# Allegro board WNS_FDM_2V1-1221P2.brd (continued)
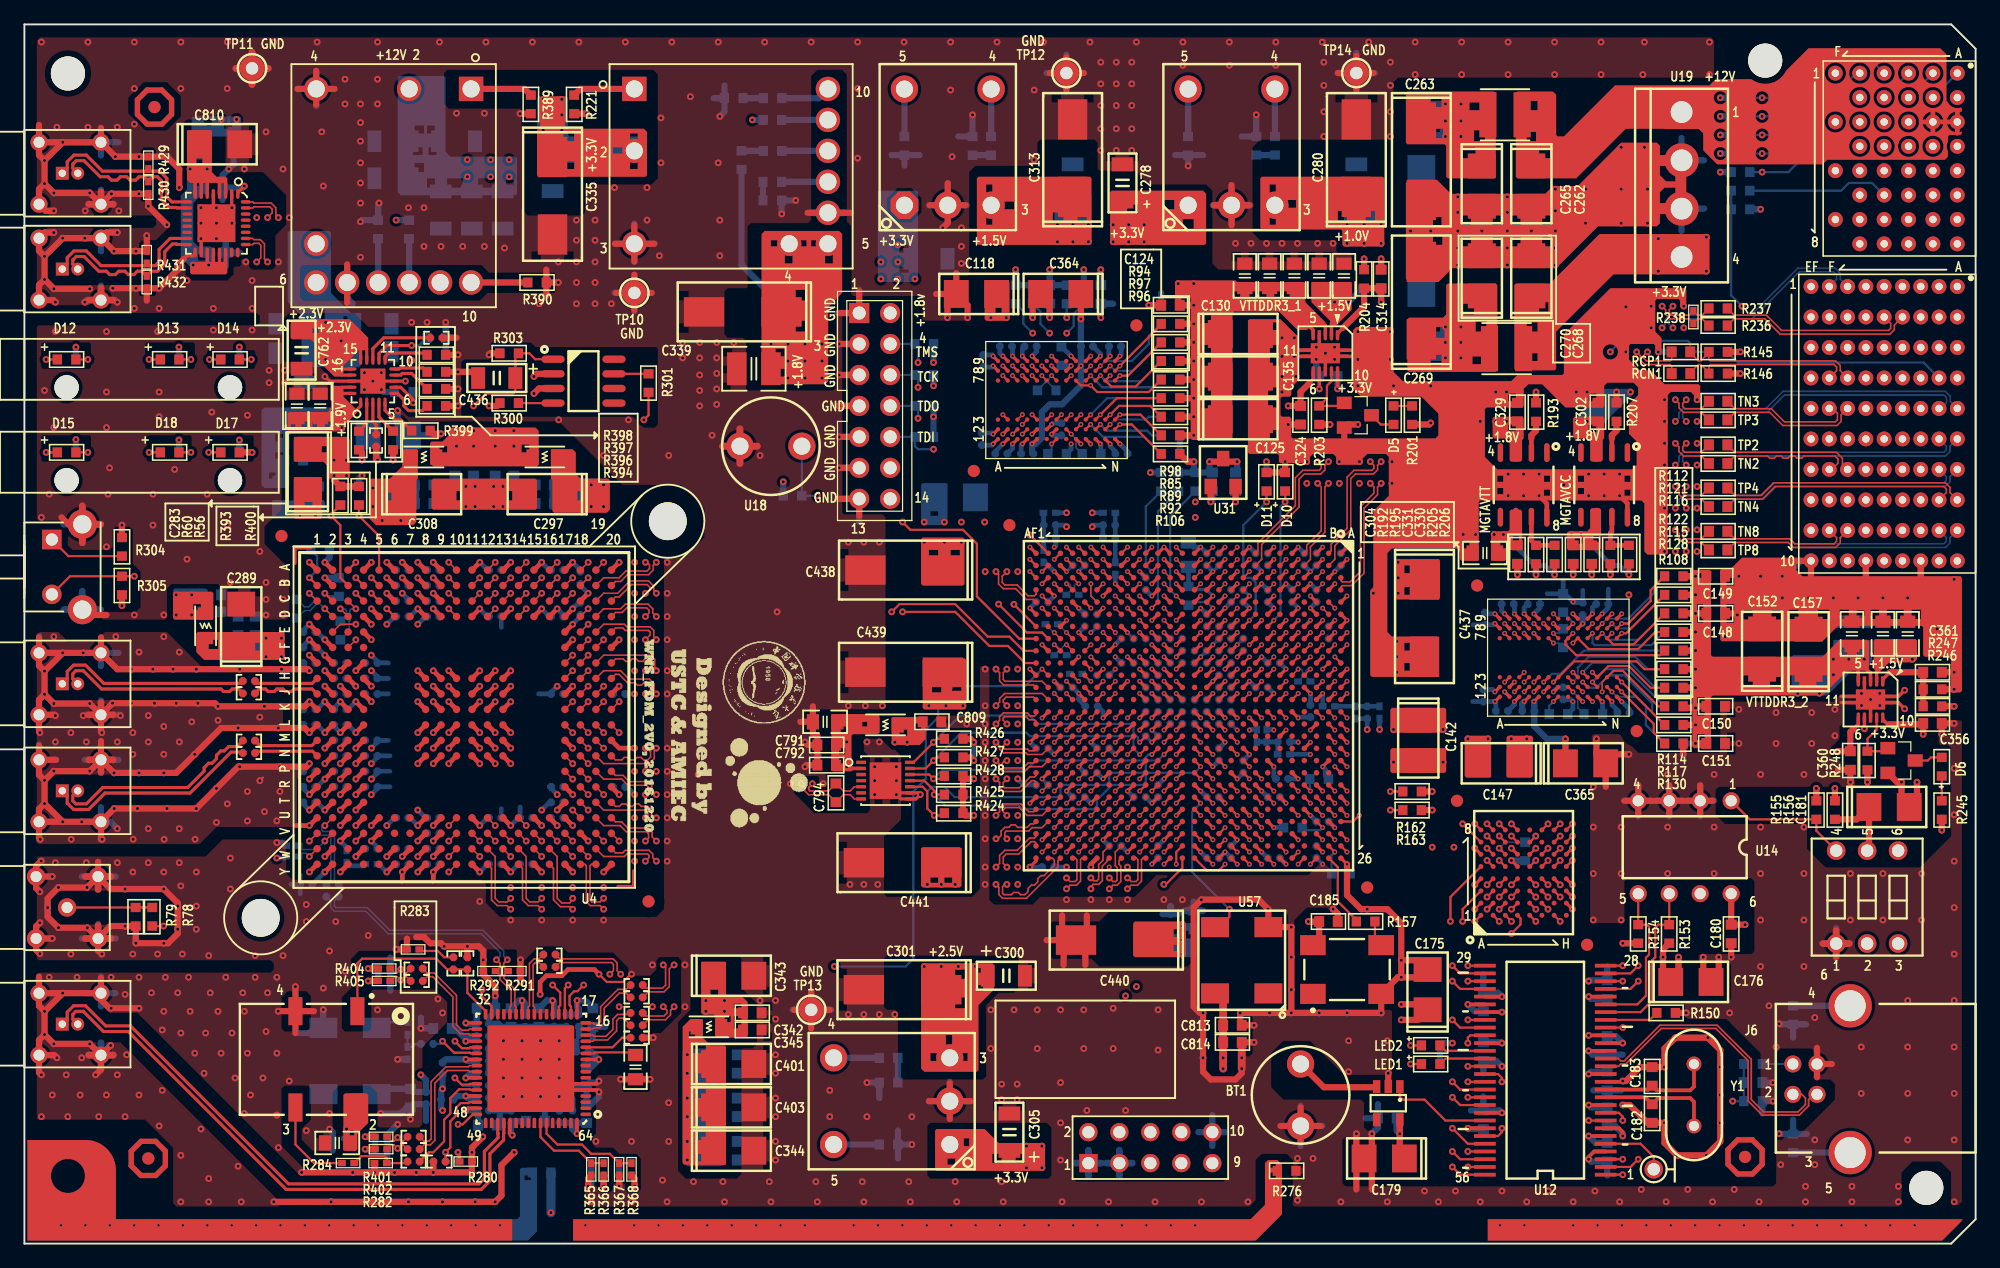
[diagram p0: board, top side]
## Routing (per net, layer and track width the routed paths; a pad name or vN(x,y) marks a point on that pad's centre or on a via; arc(x,y) is an arc through that point) (continued)
DDR3_1_A2: length 30.7
  TOP w0.178: U10.L3 v1(88.23,67.99) 89.58,69.34 R85.2 ; U15.V2 v1(91.45,56.12)
  ART08 w0.119: v1(91.45,56.12) 90.96,56.61 90.96,57.54 91.08,57.66 91.82,57.66 92.58,58.42 93.22,58.42 93.34,58.55 93.34,67.06 93.22,67.18 92.93,67.18 92.81,67.06 92.81,66.31 92.67,66.17 92.47,66.17 92.33,66.31 92.33,67.04 92.19,67.18 91.95,67.18 91.82,67.06 91.82,66.29 91.69,66.17 90.42,66.17 90.3,66.04 90.3,65.28 90.17,65.15 89.53,65.15 89.43,65.25 89.43,66.14 89.28,66.29 88.9,66.29 88.63,66.56 88.63,67.59 v1(88.23,67.99)
DDR3_1_A3: length 32
  TOP w0.178: U15.Y2 v1(88.45,56.12) ; v1(87.43,67.19) U10.K2
  ART08 w0.119: v1(88.45,56.12) 89.41,57.07 89.41,58.55 89.66,58.8 91.07,58.8 91.19,58.92 91.19,59.13 91.07,59.25 90.42,59.25 90.3,59.37 90.3,59.57 90.44,59.71 91.05,59.71 91.17,59.83 91.17,60 91.05,60.12 90.44,60.12 90.3,60.26 90.3,60.46 90.44,60.6 91.05,60.6 91.19,60.74 91.19,60.94 91.05,61.08 90.44,61.08 90.3,61.22 90.3,61.41 90.44,61.55 91.05,61.55 91.19,61.69 91.19,61.89 91.05,62.03 90.44,62.03 90.3,62.17 90.3,62.37 90.44,62.51 91.05,62.51 91.19,62.65 91.19,62.85 91.05,62.99 90.44,62.99 90.3,63.13 90.3,63.37 90.42,63.5 91.06,63.5 91.19,63.63 91.19,63.88 91.06,64.01 88.01,64.01 87.03,64.99 U10.K2 v1(87.43,67.19)
  BOTTOM w0.178: R86.2 91.82,66.17 88.46,66.17 v1(87.43,67.19)
DDR3_1_A4: length 31.9
  TOP w0.178: v1(88.23,71.99) U10.L8 ; U15.AC1 v1(85.45,57.12)
  ART03 w0.119: v1(88.23,71.99) 87.83,72.39 87.25,72.39 87.03,72.17 87.03,65.14 86.91,65.02 86.23,65.02 86.11,64.9 86.11,64.65 86.25,64.51 86.86,64.51 87,64.37 87,64.17 86.86,64.03 86.25,64.03 86.11,63.89 86.11,63.69 86.25,63.55 86.86,63.55 87,63.42 87,63.22 86.86,63.08 86.25,63.08 86.11,62.94 86.11,62.74 86.25,62.6 86.86,62.6 87,62.46 87,62.26 86.86,62.12 86.25,62.12 86.11,61.98 86.11,61.78 86.25,61.64 86.86,61.64 87,61.5 87,61.31 86.86,61.17 86.25,61.17 86.11,61.03 86.11,60.78 86.25,60.64 86.35,60.64 86.49,60.5 86.49,60.3 86.35,60.16 86.25,60.16 86.11,60.02 86.11,58.42 85.45,57.77 v1(85.45,57.12)
  BOTTOM w0.127: v1(88.23,71.99) 88.63,72.39 90.04,72.39
  BOTTOM w0.178: 90.04,72.39 90.8,72.39 92.2,73.79 92.2,74.42 R87.2
DDR3_1_A5: length 30.6
  TOP w0.178: U15.W1 v1(90.45,57.12) ; v1(88.23,67.19) U10.L2
  ART08 w0.119: v1(88.23,67.19) 88.23,66.33 88.63,65.93 88.63,65.16 89.03,64.77 90.54,64.77 90.68,64.91 90.68,65.65 90.79,65.77 91.07,65.77 91.19,65.65 91.19,64.89 91.31,64.77 91.52,64.77 91.66,64.91 91.66,65.67 91.78,65.79 91.95,65.79 92.07,65.67 92.07,64.91 92.21,64.77 92.39,64.77 92.52,64.9 92.52,65.67 92.64,65.79 92.84,65.79 92.96,65.67 92.96,58.93 92.84,58.8 92.58,58.8 92.46,58.93 92.46,59.69 92.33,59.82 92.08,59.82 91.95,59.69 91.95,58.29 91.69,58.04 90.42,58.04 90.17,57.78 90.17,57.4 v1(90.45,57.12)
  BOTTOM w0.178: R88.2 92.46,66.29 92.08,66.67 88.75,66.67 v1(88.23,67.19)
DDR3_1_A6: length 30.5
  TOP w0.178: v1(89.03,71.99) U10.M8 ; U15.V1 v1(91.45,57.12)
  ART10 w0.119: v1(91.45,57.12) 91.45,57.54 91.57,57.66 92.58,57.66 92.71,57.78 92.71,58.02 92.57,58.16 92.32,58.16 92.2,58.28 92.2,58.51 92.32,58.63 92.59,58.63 92.71,58.75 92.71,58.93 92.58,59.05 92.33,59.05 92.2,59.18 92.2,59.44 92.33,59.56 92.58,59.56 92.71,59.69 92.71,59.82 92.58,59.94 91.57,59.94 91.44,60.07 91.44,60.25 91.57,60.39 92.49,60.39 92.61,60.51 92.61,60.71 92.49,60.83 91.56,60.83 91.44,60.95 91.44,61.16 91.56,61.28 92.46,61.28 92.58,61.4 92.58,61.6 92.46,61.72 90.93,61.72 90.81,61.85 90.81,69.6 89.43,70.97 89.43,71.59 v1(89.03,71.99)
  BOTTOM w0.127: v1(89.03,71.99) 89.03,71.99 89.43,71.59 90.04,71.59
  BOTTOM w0.178: 90.04,71.59 90.89,71.59 R93.2
DDR3_1_A7: length 29.6
  TOP w0.178: U10.M2 v1(89.03,67.19) ; U15.V4 v1(91.45,54.12)
  ART08 w0.119: v1(91.45,54.12) 90.93,54.64 90.93,55.37 91.19,55.63 91.69,55.63 91.96,55.9 91.96,57.29 92.71,58.04 93.34,58.04 93.73,58.42 93.73,67.44 93.61,67.56 92.08,67.56 91.94,67.7 91.94,67.93 91.8,68.07 91.48,68.07 91.34,67.93 91.34,67.2 91.2,67.06 90.92,67.06 90.81,67.18 90.81,67.94 90.69,68.06 90.42,68.06 90.3,67.94 90.3,66.67 90.05,66.42 89.8,66.42 v1(89.03,67.19)
  BOTTOM w0.127: 90.04,67.59 89.43,67.59 v1(89.03,67.19)
  BOTTOM w0.178: R95.2 92.2,67.82 91.97,67.59 90.04,67.59
DDR3_1_A8: length 30.1
  TOP w0.178: U15.U6 v1(91.45,52.12) ; R94.2 93.22,75.37 v1(89.83,71.99) U10.N8
  ART10 w0.119: v1(89.83,71.99) 91.69,70.13 91.69,64.26 92.08,63.88 93.34,63.88 93.96,63.26 93.96,55.88 93.71,55.63 93.23,55.63 92.96,55.36 92.96,54.86 92.71,54.61 92.2,54.61 91.96,54.37 91.96,52.63 v1(91.45,52.12)
DDR3_1_A9: length 30
  TOP w0.178: U15.U1 v1(92.45,57.12) ; U10.M3 v1(89.03,67.99) 89.75,68.71 92.33,68.71 R89.2
  ART08 w0.119: v1(89.03,67.99) 89.03,68.97 89.15,69.09 89.34,69.09 89.47,68.96 89.47,68.58 89.58,68.47 89.81,68.47 89.92,68.58 89.92,68.96 90.04,69.09 90.25,69.09 90.39,68.95 90.39,68.6 90.51,68.47 90.68,68.47 90.8,68.6 90.8,68.95 90.94,69.09 91.13,69.09 91.25,68.97 91.25,68.61 91.39,68.47 91.56,68.47 91.68,68.59 91.68,68.95 91.81,69.07 92.04,69.07 92.16,68.95 92.16,68.59 92.3,68.45 92.5,68.45 92.64,68.59 92.64,68.95 92.78,69.09 92.98,69.09 93.12,68.95 93.12,68.47 93.26,68.33 93.45,68.33 93.59,68.47 93.59,68.95 93.73,69.09 93.98,69.09 94.11,68.96 94.11,58.29 93.47,57.66 92.99,57.66 v1(92.45,57.12)
DDR3_1_A10: length 31.7
  TOP w0.178: v1(85.83,71.19) U10.H7 ; U15.U7 v1(91.45,51.12)
  ART08 w0.119: v1(85.83,71.19) 85.41,71.61 85.41,74.62 v2(85.47,74.68)
  ART10 w0.119: v1(85.83,71.19) 87.03,69.99 87.03,60.87 86.93,60.77 86.93,58.36 87.96,57.32 87.96,52.88 88.21,52.63 88.66,52.63 88.96,52.32 88.96,51.88 89.72,51.12 v1(91.45,51.12)
  BOTTOM w0.178: R90.2 86.04,76.26 86.04,75.25 v2(85.47,74.68)
DDR3_1_A11: length 30.9
  TOP w0.178: v1(89.03,71.19) U10.M7 89.13,70.29 91.12,70.29 R96.2 ; U15.V3 v1(90.45,55.12)
  ART10 w0.119: v1(90.45,55.12) 90.96,55.63 90.96,57.94 91.06,58.04 91.69,58.04 91.82,58.17 91.82,58.42 91.69,58.55 91.09,58.55 90.96,58.67 90.96,58.86 91.09,58.99 91.7,58.99 91.82,59.11 91.82,59.31 91.69,59.44 90.42,59.44 90.3,59.56 90.3,59.81 90.44,59.95 90.94,59.95 91.06,60.07 91.06,60.31 90.94,60.43 90.44,60.43 90.3,60.57 90.3,60.76 90.44,60.9 90.94,60.9 91.06,61.02 91.06,61.26 90.94,61.38 90.44,61.38 90.3,61.52 90.3,68.59 90.16,68.73 89.67,68.73 89.53,68.87 89.53,69.07 89.67,69.21 90.16,69.21 90.3,69.35 90.3,69.6 89.03,70.86 v1(89.03,71.19)
DDR3_1_A12: length 31.6
  TOP w0.178: U10.K7 v1(87.43,71.19) ; U15.W3 v1(90.45,54.12)
  ART10 w0.119: v1(87.43,71.19) 88.26,70.36 88.27,70.36 89.03,70.36 89.15,70.23 89.15,69.96 89.01,69.82 88.4,69.82 88.27,69.68 88.27,69.49 88.4,69.35 89.01,69.35 89.15,69.21 89.15,68.96 89.03,68.83 88.42,68.83 88.3,68.71 88.3,68.55 88.63,68.21 88.63,60.19 88.77,60.05 89.01,60.05 89.15,59.91 89.15,59.71 89.01,59.57 88.77,59.57 88.63,59.43 88.63,59.18 88.77,59.04 89.4,59.04 89.53,58.9 89.53,58.71 89.4,58.57 88.75,58.57 88.63,58.45 88.63,58.16 88.75,58.04 89.15,58.04 89.53,57.66 89.53,54.74 90.15,54.12 v1(90.45,54.12)
  BOTTOM w0.178: v1(87.43,71.19) 88.39,70.23 92.58,70.23 R91.2
DDR3_1_A13: length 29.3
  TOP w0.178: R92.2 91.52,67.99 v1(89.83,67.99) U10.N3 ; U15.U5 v1(91.45,53.12)
  ART10 w0.119: v1(89.83,67.99) U10.N3 89.43,65.3 89.28,65.15 89.15,65.15 89.03,65.03 89.03,64.75 89.17,64.61 89.78,64.61 89.92,64.47 89.92,64.27 89.78,64.13 89.17,64.13 89.03,63.99 89.03,63.79 89.17,63.65 89.78,63.65 89.92,63.51 89.92,63.31 89.78,63.17 89.17,63.17 89.03,63.03 89.03,62.84 89.17,62.7 89.78,62.7 89.92,62.56 89.92,62.36 89.78,62.22 89.17,62.22 89.03,62.08 89.03,61.88 89.17,61.74 89.78,61.74 89.92,61.6 89.92,61.4 89.78,61.26 89.17,61.26 89.03,61.12 89.03,60.58 89.15,60.45 89.8,60.45 89.92,60.33 89.92,59.27 90.06,59.13 90.24,59.13 90.36,59.01 90.36,58.77 90.24,58.65 90.06,58.65 89.92,58.51 89.92,58.31 90.06,58.17 90.24,58.17 90.36,58.05 90.36,57.78 90.24,57.66 90.05,57.66 89.96,57.58 89.96,54.82 90.17,54.61 90.68,54.61 90.96,54.33 90.96,53.62 v1(91.45,53.12)
DDR3_1_A14: length 29.6
  TOP w0.178: U15.U2 v1(92.45,56.12) ; U10.N7 v1(89.83,71.19) 90.49,71.19 R97.2
  ART10 w0.119: v1(89.83,71.19) 91.31,69.71 91.31,63.23 91.45,63.09 91.68,63.09 91.82,62.95 91.82,62.76 91.68,62.62 91.45,62.62 91.31,62.48 91.31,62.23 91.44,62.1 92.96,62.1 93.09,62.23 93.09,62.99 93.22,63.12 93.47,63.12 93.6,62.99 93.6,61.65 93.46,61.51 93.23,61.51 93.09,61.37 93.09,61.18 93.23,61.04 93.46,61.04 93.6,60.9 93.6,60.7 93.46,60.56 93.23,60.56 93.09,60.42 93.09,60.22 93.23,60.08 93.46,60.08 93.6,59.94 93.6,59.74 93.46,59.6 93.23,59.6 93.09,59.46 93.09,59.27 93.23,59.13 93.46,59.13 93.6,58.99 93.6,58.79 93.46,58.65 93.23,58.65 93.09,58.51 93.09,58.31 93.23,58.17 93.46,58.17 93.6,58.03 93.6,57.78 93.47,57.66 93.09,57.66 92.95,57.52 92.95,56.62 v1(92.45,56.12)
DDR3_1_A15: length 31.6
  TOP w0.178: R98.2 92.2,69.85 87.97,69.85 v1(87.43,70.39) 86.63,70.39 U10.J7 ; U15.V6 v1(90.45,52.12)
  ART10 w0.119: v1(90.45,52.12) 89.96,52.61 89.96,53.29 89.66,53.59 89.22,53.59 88.96,53.85 88.96,57.53 88.84,57.66 88.39,57.66 88.27,57.78 88.27,60.45 88.14,60.58 87.62,60.58 87.5,60.7 87.5,61.05 87.62,61.17 88,61.17 88.14,61.31 88.14,61.51 88,61.65 87.62,61.65 87.5,61.77 87.5,62 87.62,62.12 88,62.12 88.14,62.26 88.14,62.46 88,62.6 87.62,62.6 87.5,62.72 87.5,62.96 87.62,63.08 87.76,63.08 87.88,63.2 87.88,63.44 87.76,63.56 87.62,63.56 87.5,63.68 87.5,64.9 87.62,65.02 87.71,65.02 87.83,65.14 87.83,69.99 v1(87.43,70.39)
DDR3_1_BA0: length 25.1
  TOP w0.178: v1(86.63,67.19) U10.J2 ; U15.AC2 v1(85.45,56.12)
  ART03 w0.119: v1(86.63,67.19) U10.J2 84.96,66.79 84.84,66.67 84.84,66.42 84.98,66.28 85.2,66.28 85.34,66.14 85.34,65.95 85.2,65.81 84.98,65.81 84.84,65.67 84.84,65.47 84.98,65.33 85.33,65.33 85.47,65.19 85.47,64.99 85.33,64.85 84.47,64.85 84.33,64.71 84.33,64.51 84.47,64.37 85.33,64.37 85.47,64.23 85.47,64.04 85.33,63.9 84.47,63.9 84.33,63.76 84.33,63.56 84.47,63.42 85.33,63.42 85.47,63.28 85.47,63.08 85.33,62.94 84.47,62.94 84.33,62.8 84.33,62.6 84.47,62.46 85.33,62.46 85.47,62.32 85.47,62.13 85.33,61.99 84.47,61.99 84.33,61.85 84.33,61.65 84.47,61.51 85.33,61.51 85.47,61.37 85.47,61.17 85.33,61.03 84.45,61.03 84.33,60.91 84.33,60.7 84.45,60.58 84.71,60.58 84.84,60.45 84.84,60.21 84.7,60.07 84.47,60.07 84.33,59.93 84.33,59.73 84.47,59.59 84.7,59.59 84.84,59.45 84.84,57.66 84.96,57.53 84.96,56.9 85.45,56.41 v1(85.45,56.12)
DDR3_1_BA1: length 25.2
  TOP w0.127: U10.K8 v1(87.43,71.99)
  TOP w0.178: U15.AB2 v1(86.45,56.12)
  ART03 w0.119: v1(87.43,71.99) 87.83,71.59 87.83,65.15 87.71,65.02 87.5,65.02 87.38,64.9 87.38,63.14 87.52,63 88.38,63 88.52,62.86 88.52,62.66 88.38,62.52 87.52,62.52 87.38,62.38 87.38,62.19 87.52,62.05 88.38,62.05 88.52,61.91 88.52,61.71 88.38,61.57 87.52,61.57 87.38,61.43 87.38,61.23 87.52,61.09 88.38,61.09 88.52,60.95 88.52,60.71 88.38,60.57 87.11,60.57 87,60.45 87,59.6 86.86,59.46 86.63,59.46 86.49,59.32 86.49,59.13 86.63,58.99 86.86,58.99 87,58.85 87,58.55 85.98,57.53 85.98,56.59 v1(86.45,56.12)
DDR3_1_BA2: length 25
  TOP w0.178: U15.Y1 v1(88.45,57.12) ; v1(86.63,67.99) U10.J3
  ART08 w0.119: v1(88.45,57.12) 88.9,57.57 88.9,58.65 88.76,58.79 88.4,58.79 88.27,58.93 88.27,59.13 88.4,59.27 89.8,59.27 89.92,59.39 89.92,59.62 89.8,59.74 88.4,59.74 88.27,59.88 88.27,60.08 88.4,60.22 89.81,60.22 89.92,60.33 89.92,60.58 89.79,60.71 89.03,60.71 88.9,60.83 88.9,61.08 89.04,61.22 89.78,61.22 89.92,61.36 89.92,61.56 89.78,61.7 89.04,61.7 88.9,61.84 88.9,62.03 89.04,62.17 89.8,62.17 89.92,62.29 89.92,62.53 89.8,62.65 89.04,62.65 88.9,62.79 88.9,63 89.02,63.12 89.67,63.12 89.79,63.24 89.79,63.51 89.67,63.63 87.88,63.63 86.23,65.28 U10.J3 v1(86.63,67.99)
DDR3_1_CASN: length 35.2
  TOP w0.178: U15.AA2 v1(87.45,56.12) ; U10.G3 v1(85.03,67.99)
  ART08 w0.119: v1(87.45,56.12) 86.96,56.61 86.96,57.54 87.08,57.66 88.01,57.66 88.14,57.78 88.14,58.04 88.01,58.17 87.09,58.17 86.96,58.29 86.96,60.66 87.1,60.8 88.38,60.8 88.52,60.94 88.52,61.14 88.38,61.28 87.1,61.28 86.96,61.42 86.96,61.62 87.1,61.76 88.38,61.76 88.52,61.9 88.52,62.1 88.38,62.23 87.1,62.23 86.96,62.37 86.96,62.57 87.1,62.71 88.38,62.71 88.52,62.85 88.52,63.05 88.38,63.19 87.1,63.19 86.96,63.33 86.96,64.04 86.49,64.52 85.47,64.52 85.34,64.64 85.34,67.68 v1(85.03,67.99) 85.03,73.72 v2(84.07,74.68)
  BOTTOM w0.178: v2(84.07,74.68) 83.31,75.44 83.31,76.45 R104.2
DDR3_1_CKE: length 25.1
  TOP w0.178: U15.AD6 v1(84.45,52.12) ; v1(84.23,72.79) U10.G9
  ART08 w0.119: v1(84.45,52.12) 83.92,52.65 83.24,52.65 82.93,52.96 82.93,55.37 82.68,55.63 82.17,55.63 81.79,56.01 81.79,64.9 82.23,65.34 82.23,70.04 83.03,70.84 83.03,72.24 83.58,72.79 v1(84.23,72.79)
DDR3_1_CKN: length 26.7
  TOP w0.124: U15.W5 v1(89.45,53.12)
  TOP w0.127: U10.G7 v1(84.23,71.19)
  ART08 w0.102: v1(89.45,53.12) 89.45,52.82 89.35,52.72 86.12,52.72 85.05,53.79 85.05,54.46 84.79,54.72 84.26,54.72 84.05,54.93 84.05,55.39 84.11,55.45 84.11,55.47
  ART08 w0.109: 84.11,55.47 84.11,55.78 83.62,56.26 83.62,69.91 83.75,70.03 83.75,70.84 84.1,71.19 v1(84.23,71.19)
  BOTTOM w0.124: v1(84.23,71.19) 83.98,70.94 83.98,70.6 R99.2
DDR3_1_CKP: length 26.7
  TOP w0.124: U15.W6 v1(89.45,52.12)
  TOP w0.127: v1(83.43,71.19) U10.F7
  ART08 w0.102: v1(89.45,52.12) 89.45,52.42 89.35,52.52 86.04,52.52 84.85,53.71 84.85,54.38 84.71,54.52 84.18,54.52 83.85,54.84 83.85,55.39 83.8,55.45 83.8,55.47
  ART08 w0.109: v1(83.43,71.19) 83.43,70.16 83.31,70.04 83.31,56.13 83.8,55.65 83.8,55.47
  BOTTOM w0.124: v1(83.43,71.19) 83.68,70.94 83.68,70.6 R99.1
DDR3_1_CSN: length 27.1
  TOP w0.178: U10.H2 v1(85.83,66.39) ; U15.AC6 v1(85.45,52.12)
  ART10 w0.119: v1(85.83,66.39) 85.47,66.76 85.21,66.76 85.09,66.64 85.09,66.32 85.37,66.05 85.37,65.84 85.09,65.57 85.09,65.12 85.23,64.98 85.71,64.98 85.85,64.84 85.85,64.65 85.71,64.51 85.23,64.51 85.09,64.37 85.09,64.17 85.23,64.03 85.71,64.03 85.85,63.89 85.85,63.69 85.71,63.55 85.23,63.55 85.09,63.41 85.09,63.21 85.23,63.07 85.71,63.07 85.85,62.93 85.85,62.74 85.71,62.6 85.23,62.6 85.09,62.46 85.09,62.26 85.23,62.12 85.71,62.12 85.85,61.98 85.85,61.78 85.71,61.64 85.23,61.64 85.09,61.5 85.09,61.3 85.23,61.16 85.71,61.16 85.85,61.02 85.85,60.83 85.71,60.69 85.25,60.69 84.84,60.27 84.84,58.29 84.96,58.17 85.72,58.17 85.84,58.05 85.84,57.88 85.72,57.76 85.08,57.76 84.96,57.64 84.96,53.59 85.22,53.33 85.22,53.11 84.96,52.86 84.96,52.61 v1(85.45,52.12)
  BOTTOM w0.127: v1(85.83,66.39) 86.23,65.99 86.23,65.28 R100.2
DDR3_1_DM: length 31.8
  TOP w0.178: U15.AD4 v1(84.45,54.12) ; v1(80.23,71.19) U10.B7
  ART10 w0.119: v1(80.23,71.19) 79.44,71.19 76.33,68.07 76.33,64.77 75.22,63.66 75.22,60.06 75.34,59.94 76.08,59.94 76.2,59.82 76.2,58.74 76.06,58.6 75.9,58.6 75.76,58.46 75.76,58.27 75.9,58.13 76.06,58.13 76.2,57.99 76.2,56.26 76.33,56.13 76.52,56.13 76.64,56.26 76.64,56.77 76.79,56.91 76.95,56.91 77.09,56.78 77.09,56.01 78.55,54.55 82.68,54.55 82.8,54.43 82.8,53.71 82.92,53.59 84.33,53.59 84.45,53.71 v1(84.45,54.12)
DDR3_1_DQ0: length 31.7
  TOP w0.178: U15.AF3 v1(82.45,55.12) ; U10.B3 v1(80.23,67.99)
  ART10 w0.119: v1(80.23,67.99) 78.61,67.99 78.49,67.87 78.49,67.62 78.63,67.48 79.64,67.48 79.76,67.36 79.76,67.13 79.64,67.01 78.06,67.01 77.97,66.92 77.97,66.68 78.11,66.54 78.73,66.54 78.87,66.4 78.87,66.2 78.73,66.06 78.1,66.06 77.98,65.94 77.98,65.7 78.1,65.58 78.73,65.58 78.87,65.44 78.87,65.24 78.73,65.1 78.11,65.1 77.98,64.97 77.98,64.76 78.11,64.63 78.75,64.63 78.87,64.51 78.87,64.27 78.75,64.15 78.11,64.15 77.97,64.01 77.97,63.75 78.09,63.63 78.61,63.63 78.74,63.5 78.74,61.88 78.87,61.76 79.26,61.76 79.38,61.64 79.38,61.4 79.26,61.28 78.73,61.28 78.61,61.16 78.61,60.92 78.73,60.8 79.26,60.8 79.38,60.68 79.38,60.44 79.26,60.32 78.73,60.32 78.61,60.2 78.61,59.94 78.73,59.82 79.26,59.82 79.38,59.7 79.38,58.67 79.25,58.55 78.74,58.55 78.61,58.42 78.61,58.04 78.74,57.91 79.26,57.91 79.38,57.79 79.38,57.53 79.25,57.4 78.73,57.4 78.61,57.28 78.61,57.02 78.74,56.9 80.65,56.9 80.77,56.78 80.77,55.88 80.9,55.75 81.82,55.75 v1(82.45,55.12)
DDR3_1_DQ1: length 31.8
  TOP w0.178: v1(81.03,71.19) U10.C7 ; U15.AE5 v1(83.45,53.12)
  ART10 w0.119: v1(81.03,71.19) 80.63,71.59 79.08,71.59 75.82,68.33 75.82,64.9 74.8,63.88 74.8,57.02 74.92,56.9 75.7,56.9 75.82,56.78 75.82,56.52 75.59,56.28 75.59,56.11 75.95,55.75 76.9,55.75 78.49,54.17 81.41,54.17 81.53,54.04 81.53,53.85 81.64,53.74 81.83,53.74 81.95,53.86 81.95,54.05 82.07,54.17 82.3,54.17 82.42,54.05 82.42,53.24 82.54,53.12 v1(83.45,53.12)
DDR3_1_DQ2: length 31.8
  TOP w0.178: U15.AF2 v1(82.45,56.12) ; v1(81.03,66.39) U10.C2
  ART10 w0.119: v1(82.45,56.12) 81.29,56.12 81.15,56.26 81.15,57.15 81.03,57.28 79.88,57.28 79.76,57.4 79.76,58.11 79.9,58.25 80.76,58.25 80.9,58.39 80.9,58.58 80.76,58.72 79.9,58.72 79.76,58.86 79.76,59.06 79.9,59.2 80.76,59.2 80.9,59.34 80.9,59.54 80.76,59.68 79.9,59.68 79.76,59.82 79.76,60.02 79.9,60.16 80.76,60.16 80.9,60.3 80.9,60.49 80.76,60.63 79.9,60.63 79.76,60.77 79.76,60.97 79.9,61.11 80.76,61.11 80.9,61.25 80.9,61.45 80.76,61.59 79.9,61.59 79.76,61.73 79.76,61.98 79.88,62.1 80.78,62.1 80.9,62.22 80.9,62.48 80.79,62.6 79.39,62.6 79.25,62.74 79.25,63 79.37,63.12 80.77,63.12 80.89,63.24 80.89,63.51 80.77,63.63 79.37,63.63 79.25,63.75 79.25,63.96 79.37,64.08 80.77,64.08 80.89,64.2 80.89,64.5 80.77,64.62 79.37,64.62 79.25,64.74 79.25,65.03 79.37,65.15 80.51,65.15 80.63,65.27 80.63,65.99 v1(81.03,66.39)
DDR3_1_DQ3: length 31.8
  TOP w0.178: U15.AE6 v1(83.45,52.12) ; v1(81.03,71.99) U10.C8
  ART10 w0.119: v1(83.45,52.12) 82.84,52.74 82.14,52.74 81.03,53.85 78.36,53.85 76.83,55.37 75.82,55.37 74.42,56.77 74.42,64.14 75.31,65.02 75.31,68.45 79.25,72.39 80.63,72.39 v1(81.03,71.99)
DDR3_1_DQ4: length 31.7
  TOP w0.178: U15.AE1 v2(82.45,58.12) ; v1(82.63,67.99) U10.E3
  ART10 w0.119: v1(82.63,67.99) 82.94,67.99 83.06,68.11 83.06,68.46 82.94,68.58 82.04,68.58 81.92,68.7 81.92,69.48 82.04,69.6 82.29,69.6 82.43,69.46 82.43,69.1 82.57,68.96 82.77,68.96 82.91,69.1 82.91,69.46 83.05,69.6 83.31,69.6 83.44,69.47 83.44,66.91 83.32,66.79 82.31,66.79 82.23,66.71 82.23,66.07 82.31,65.99 83.32,65.99 83.44,65.87 83.44,65.27 83.32,65.15 82,65.15 81.92,65.07 81.92,64.83 82.03,64.72 83.45,64.72 83.57,64.6 83.57,64.38 83.45,64.26 82.03,64.26 81.92,64.14 81.92,63.97 82.03,63.85 82.56,63.85 82.68,63.73 82.68,63.49 82.56,63.37 82.29,63.37 82.17,63.25 82.17,62.98 82.29,62.87 83.04,62.87 83.16,62.98 83.16,63.76 83.28,63.88 83.51,63.88 83.63,63.76 83.63,58.23 83.07,57.67 82.9,57.67 v2(82.45,58.12)
DDR3_1_DQ5: length 31.8
  TOP w0.178: U15.AD1 v1(84.45,56.12) ; U10.E8 v1(82.63,71.99)
  ART10 w0.119: v1(84.45,56.12) 84.45,56.45 83.95,56.96 83.95,57.4 84.45,57.91 84.45,60.45 84.63,60.63 84.63,68.33 84.76,68.45 85.48,68.45 85.6,68.57 85.6,68.84 85.48,68.96 84.36,68.96 84.21,69.11 84.21,69.35 84.33,69.47 85.09,69.47 85.34,69.72 85.34,70.62 85.22,70.74 84.84,70.74 84.71,70.87 84.71,71.13 84.83,71.25 85.22,71.25 85.34,71.37 85.34,71.61 85.2,71.75 84.85,71.75 84.71,71.89 84.71,72.09 84.85,72.23 85.22,72.23 85.34,72.35 85.34,72.58 85.22,72.71 84.84,72.71 84.71,72.83 84.71,73.01 84.83,73.13 85.48,73.13 85.6,73.24 85.6,73.41 85.48,73.53 83.95,73.53 83.83,73.41 83.83,70.86 83.71,70.74 83.15,70.74 83.03,70.86 83.03,71.59 v1(82.63,71.99)
DDR3_1_DQ6: length 31.8
  TOP w0.178: U10.D2 v1(81.83,66.39) ; U15.AE3 v1(83.45,54.12)
  ART10 w0.119: v1(81.83,66.39) 81.43,65.99 81.43,63.6 81.57,63.46 81.65,63.46 81.79,63.32 81.79,63.12 81.65,62.98 81.57,62.98 81.43,62.84 81.43,62.6 81.57,62.46 83.05,62.46 83.19,62.32 83.19,62.12 83.05,61.98 81.57,61.98 81.43,61.84 81.43,60.81 81.53,60.71 81.77,60.71 81.87,60.81 81.87,61.49 81.98,61.59 82.18,61.59 82.3,61.48 82.3,60.83 82.42,60.71 82.59,60.71 82.71,60.83 82.71,61.47 82.83,61.59 83.07,61.59 83.19,61.47 83.19,60.45 83.06,60.33 81.55,60.33 81.43,60.21 81.43,59.16 81.53,59.05 81.7,59.05 81.81,59.16 81.81,59.78 81.92,59.89 82.14,59.89 82.26,59.77 82.26,59.19 82.38,59.08 82.62,59.08 82.74,59.2 82.74,59.76 82.88,59.89 83.06,59.89 83.16,59.78 83.16,58.78 83.06,58.67 81.53,58.67 81.41,58.55 81.41,58.37 81.53,58.25 81.77,58.25 81.91,58.11 81.91,57.91 81.77,57.77 81.57,57.77 81.45,57.65 81.45,57.36 81.66,57.15 81.66,56.77 81.79,56.64 82.68,56.64 82.93,56.39 82.93,54.86 83.45,54.34 v1(83.45,54.12)
DDR3_1_DQ7: length 31.8
  TOP w0.178: U15.AE2 v1(83.45,55.12) ; U10.E7 v1(82.63,71.19)
  ART10 w0.119: v1(83.45,55.12) 83.82,55.12 83.95,55.24 83.95,55.5 83.82,55.63 83.57,55.63 83.45,55.74 83.45,56.02 83.57,56.13 83.82,56.13 83.94,56.25 83.94,56.52 83.82,56.64 83.19,56.64 83.06,56.77 83.06,57.15 84.07,58.17 84.07,60.63 84.2,60.75 84.2,61.1 84.07,61.23 84.07,61.58 84.2,61.71 84.2,62.06 84.07,62.19 84.07,62.54 84.2,62.66 84.2,63.01 84.07,63.14 84.07,63.49 84.2,63.62 84.2,63.97 84.07,64.1 84.07,64.39 84.2,64.52 84.2,64.9 83.83,65.27 83.83,69.73 83.95,69.85 84.84,69.85 84.96,69.98 84.96,70.23 84.84,70.36 83.5,70.36 83.38,70.23 83.38,70.1 83.26,69.98 83.02,69.98 82.9,70.1 82.9,70.24 82.78,70.36 82.54,70.36 82.42,70.24 82.42,70.1 82.3,69.98 82.03,69.98 81.92,70.1 81.92,70.24 81.8,70.36 81.5,70.36 81.38,70.24 81.38,69.84 81.26,69.72 80.99,69.72 80.87,69.84 80.87,70.22 80.73,70.36 80.54,70.36 80.4,70.22 80.4,69.86 80.26,69.72 80.01,69.72 79.88,69.85 79.88,70.61 80.01,70.74 82.51,70.74 82.63,70.86 v1(82.63,71.19)
DDR3_1_DQSN: length 31.8
  TOP w0.124: v2(80.56,55.12) 80.19,54.74 80.19,54.23 80.39,54.02 81.41,54.02 82.29,53.13 82.83,53.13 82.95,53.26 U15.AF4
  TOP w0.127: U10.D3 v1(81.83,67.19)
  ART10 w0.109: v1(81.83,67.19) 81.83,67.33 81.66,67.51 81.32,67.51 81.03,67.8 81.03,68.71 80.9,68.83 80.57,68.83 80.37,68.63 80.04,68.63 79.84,68.83 79.51,68.83 79.31,68.63 78.98,68.63 78.78,68.83 78.42,68.83 78.19,68.6 78.19,68.42 77.96,68.19 77.78,68.19 77.34,67.76 77.34,63.88 77,63.54 76.42,63.54 76.29,63.41 76.29,62.97 76.4,62.87 77.74,62.87 78.04,62.57 78.04,61.91 77.72,61.59 76.31,61.59 76.2,61.49 76.2,60.94 76.31,60.84 77.59,60.84 77.91,60.52 77.91,56.9 78.55,56.26 79.88,56.26 80.2,55.95 80.2,55.49 v2(80.56,55.12)
DDR3_1_DQSP: length 31.8
  TOP w0.124: U15.AF5 82.74,52.83 82.17,52.83 81.28,53.72 80.26,53.72 79.88,54.1 79.88,54.91 v2(79.67,55.12)
  TOP w0.127: v1(81.83,67.99) U10.C3
  ART10 w0.109: v2(79.67,55.12) 79.88,55.33 79.88,55.82 79.75,55.95 78.42,55.95 77.6,56.77 77.6,60.39 77.47,60.52 76.18,60.52 75.89,60.82 75.89,61.62 76.18,61.91 77.59,61.91 77.72,62.04 77.72,62.44 77.61,62.55 76.27,62.55 75.98,62.84 75.98,63.54 76.29,63.85 76.87,63.85 77.03,64.01 77.03,67.89 78.29,69.15 81.03,69.15 81.34,68.84 81.34,67.93 81.45,67.82 81.66,67.82 v1(81.83,67.99)
DDR3_1_ODT: length 26.1
  TOP w0.127: v1(87.45,54.12) 87.45,53.12 U15.AA5
  TOP w0.178: v1(84.23,65.59) U10.G1
  ART08 w0.119: v1(84.23,65.59) 84.23,63.75 84.35,63.63 85.22,63.63 85.34,63.51 85.34,63.24 85.22,63.12 84.32,63.12 84.2,63 84.2,62.73 84.32,62.61 85.35,62.61 85.47,62.49 85.47,62.22 85.35,62.11 84.37,62.11 84.23,61.97 84.23,61.72 84.37,61.58 85.35,61.58 85.47,61.46 85.47,61.22 85.35,61.1 84.37,61.1 84.23,60.96 84.23,60.72 84.37,60.58 84.7,60.58 84.84,60.44 84.84,60.24 84.7,60.1 84.37,60.1 84.23,59.96 84.23,59.71 84.37,59.57 84.7,59.57 84.84,59.43 84.84,59.23 84.7,59.09 84.37,59.09 84.23,58.95 84.23,58.76 84.37,58.62 84.7,58.62 84.84,58.48 84.84,58.28 84.7,58.14 84.37,58.14 84.23,58 84.23,57.75 84.33,57.66 84.84,57.66 84.96,57.54 84.96,55.88 85.22,55.63 85.72,55.63 85.96,55.39 85.96,54.88 86.23,54.61 86.96,54.61 v1(87.45,54.12)
  BOTTOM w0.178: v1(84.23,65.59) 84.23,65.08 R101.2
DDR3_1_RASN: length 36.2
  TOP w0.178: U10.F3 v1(84.23,67.99) ; U15.AA3 v1(87.45,55.12)
  ART08 w0.119: v2(82.68,74.68) 83.59,73.76 84.1,73.76 84.65,73.21 84.65,68.41 v1(84.23,67.99) 84.79,67.44 84.9,67.44 85.02,67.32 85.02,67.07 84.88,66.93 84.84,66.93 84.7,66.79 84.7,66.59 84.84,66.45 84.88,66.45 85.02,66.31 85.02,66.12 84.88,65.98 84.84,65.98 84.7,65.84 84.7,65.64 84.84,65.5 84.88,65.5 85.02,65.36 85.02,65.14 84.9,65.02 84.75,65.02 84.63,64.9 84.63,64.25 84.75,64.14 86.36,64.14 86.49,64.01 86.49,63.81 86.36,63.68 86.03,63.68 85.92,63.56 85.92,63.34 86.03,63.22 86.37,63.22 86.49,63.1 86.49,62.87 86.37,62.75 86.03,62.75 85.92,62.63 85.92,62.45 86.03,62.33 86.37,62.33 86.49,62.21 86.49,61.97 86.37,61.85 86.05,61.85 85.92,61.72 85.92,61.5 86.03,61.38 86.47,61.38 86.61,61.24 86.61,61.04 86.47,60.9 86.03,60.9 85.92,60.78 85.92,60.54 86.03,60.42 86.47,60.42 86.61,60.28 86.61,60.08 86.47,59.94 86.18,59.94 86.04,59.8 86.04,59.61 86.18,59.47 86.47,59.47 86.61,59.33 86.61,59.13 86.47,58.99 86.18,58.99 86.04,58.85 86.04,58.6 86.16,58.48 86.49,58.48 86.61,58.36 86.61,58.17 86.49,58.04 85.46,58.04 85.34,57.92 85.34,57.71 85.46,57.59 85.85,57.59 85.96,57.48 85.96,55.89 86.23,55.63 86.95,55.63 v1(87.45,55.12)
  BOTTOM w0.178: v2(82.68,74.68) 81.92,75.44 81.92,76.45 R103.2
DDR3_1_RESETN: length 29.6
  TOP w0.178: R106.2 90.8,67.19 v1(89.83,67.19) U10.N2 ; v1(88.45,54.12) U15.AA4
  ART03 w0.119: v1(89.83,67.19) U10.N2 89.43,62.26 89.57,62.12 90.03,62.12 90.17,61.98 90.17,61.78 90.03,61.64 89.57,61.64 89.43,61.5 89.43,61.3 89.57,61.16 90.41,61.16 90.55,61.02 90.55,60.83 90.41,60.69 89.57,60.69 89.43,60.55 89.43,60.35 89.57,60.21 90.41,60.21 90.55,60.07 90.55,59.87 90.41,59.73 89.57,59.73 89.43,59.59 89.43,59.39 89.57,59.25 90.41,59.25 90.55,59.11 90.55,58.92 90.41,58.78 89.57,58.78 89.43,58.64 89.43,58.44 89.57,58.3 90.41,58.3 90.55,58.16 90.55,57.96 90.41,57.82 89.57,57.82 89.43,57.68 89.43,57.23 89.57,57.09 89.78,57.09 89.92,56.95 89.92,56.75 89.78,56.61 89.45,56.61 89.31,56.47 89.31,56.28 89.45,56.14 89.78,56.14 89.92,56 89.92,55.8 89.78,55.66 89.57,55.66 89.43,55.52 89.43,55.1 v1(88.45,54.12)
